# KiCad board jetson-nano-baseboard.kicad_pcb (continued)
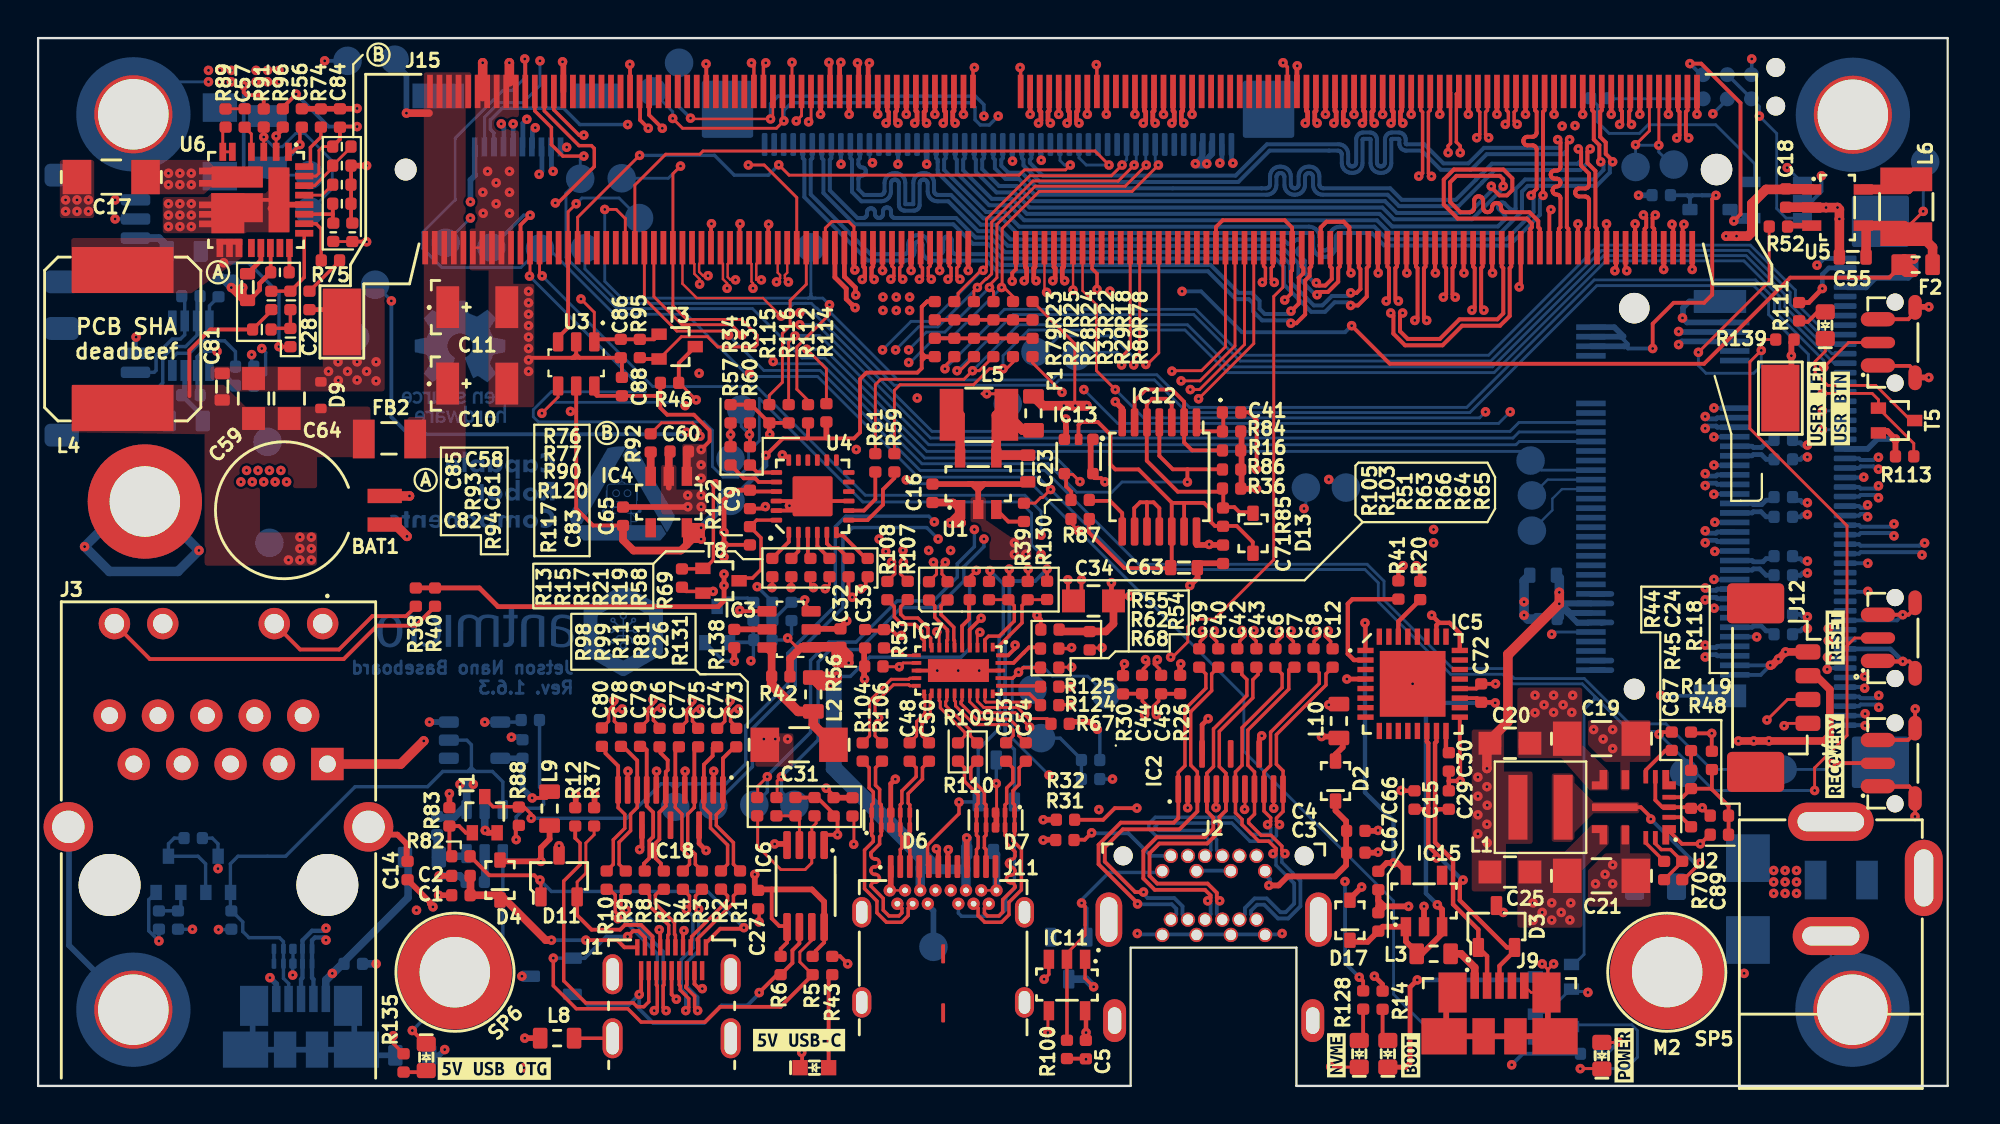
[diagram p0: board, top side]
## Routing (per net, layer and track width the routed paths; a pad name or vN(x,y) marks a point on that pad's centre or on a via; arc(x,y) is an arc through that point) (continued)
  Top w0.3: 54.12,19.11 55.2,19.11 v1(55.59,18.72) ; 60.8,29.13 60.8,28.39 62.23,28.39 ; v1(63.95,31.34) 63.16,31.34 63.16,34.36 ; 55.26,32.1 55.24,32.11 55.24,33.98 55.26,34 ; v1(69.47,10.44) 68.94,9.91 68.94,9.74 ; 42.11,22.64 42.11,22.94
  Top w0.4: 56.24,25.32 56.26,25.31 ; C16.1 48.03,30.62 48.39,30.26 48.39,30.08 v1(47.87,29.56) ; 53.59,23.95 53.69,23.85 56.04,23.85 56.44,24.26 C34.1 ; J12.2 93.32,21.53 94.04,20.81 94.04,18.41 93.74,18.11 v1(90.84,18.11) v1(90.04,18.11) v1(89.24,18.11) ; 39.47,21.5 39.47,22.43 40.09,23.05 40.58,23.05
  Top w0.406: 34.05,32 34.05,33.22
  Top w0.5: v1(88.59,44.61) v1(89.14,44.61) 89.74,44.61 89.94,44.81 89.94,46.31 90.69,47.06 93.09,47.06 93.06,47.09 C18.1 ; C32.1 42.54,22.59 v1(42.54,22.21) ; C32.1 41.89,22.8 v1(41.89,22.21) ; C32.1 42.08,23.05 40.58,23.05 ; v1(42.54,22.21) v1(41.89,22.21) ; v1(42.54,22.21) 42.11,22.64 42.11,22.93 42.11,22.42 v1(41.89,22.21) ; v1(47.87,29.56) v1(48.44,29.56) 48.39,29.61 48.39,30.26
  Bottom w0.15: v1(66.44,30.31) 66.54,30.41 TP42.1
  Bottom w0.18: 10.14,8.22 10.13,8.21 v1(9.47,8.21) ; v1(55.59,18.72) 55.73,18.58 55.73,17.11 ; 39.54,24.42 39.54,23.71 v1(39.34,23.51) 39.24,23.41 38.53,23.41
  Bottom w0.2: 80.95,1.69 77.92,1.69 v1(77.34,1.11)
  Bottom w0.25: v1(62.02,48.44) 62.14,48.55 62.14,49.42 ; v1(93.37,43.08) 93.72,43.43 J7.1 ; v1(62.71,48.44) 62.63,48.51 62.63,49.42 ; v1(93.65,41.86) 93.65,42.6 93.99,42.94 94.84,42.94
  Bottom w0.3: U8.5 C90.1 25.42,15.62 v1(25.93,15.11)
  Bottom w0.4: v1(22.84,15.83) 22.74,15.83 22.49,15.58 22.24,15.83 v1(22.14,15.83) ; v1(22.84,15.83) 22.49,15.48 ; v1(22.84,15.83) v1(22.14,15.83) ; 22.49,15.48 v1(22.14,15.83) ; 22.49,15.48 22.49,14.76 21.83,14.09 20.94,14.09
  vias: v1(13.14,27.61) v1(13.74,28.81) v1(13.74,28.21) v1(13.74,27.61) v1(14.34,28.81) v1(14.34,28.21) v1(14.34,27.61) v1(34.8,32.6) v1(34.8,31.9) v1(57.29,25.71) v1(61.47,28.42)
/Supply/3V3_EN: length 2
  Top w0.2: 85.65,17.6 85.4,17.6 84.38,16.58 U2.7
/Supply/3V3_FB: length 6.2
  Top w0.2: 88.73,13.19 88.73,14.69 87.85,15.57 ; 87.85,15.57 87.82,15.6 86.76,15.6 86.31,15.15 85.61,15.15 ; 87.85,15.57 R118.2
/Supply/3V3_R_C_BOOT: length 3.5
  Top w0.18: 85.34,10.82 86.29,11.77 C89.2 85.68,12.41 85.19,12.41 84.88,12.72 84.88,13.03
/Supply/3V3_SW: length 7
  Top w0.18: v1(87.24,11.71) 86.51,10.97 86.29,10.97
  Top w0.2: U2.10 84.12,14.63 84.64,14.11 v1(84.64,14.01)
  Bottom w0.2: v1(87.24,11.71) 86.94,11.71 v1(84.64,14.01)
/Supply/3V3_VCC: length 1.4
  Top w0.2: 86.76,13.6 86.25,14.1 85.61,14.1
/Supply/3V3_VIN:
  vias: v1(81.64,18.71) v1(81.74,10.61) v1(82.14,18.21) v1(82.24,11.11) v1(82.64,18.71) v1(82.64,17.71) v1(82.64,11.61) v1(82.64,10.61)
/Supply/5V_BOOT: length 1.4
  Top w0.15: 11.19,49.03 11.19,49.97 C57.2
/Supply/5V_COMP: length 2.7
  Top w0.18: 14.86,43.33 14.86,44.99 14.59,45.26 13.97,45.26
/Supply/5V_EN: length 9.1
  Top w0.15: 11.84,50.32 v1(11.84,49.81) 11.84,49.03
  Bottom w0.15: v1(11.84,49.81) 12.35,49.3 12.82,49.3 13.52,50 13.99,50 15.44,48.55 15.44,47.11 TP15.1
/Supply/5V_FB: length 5.2
  Top w0.15: 15.49,45.29 15.49,45.76 ; 15.49,45.76 14.79,45.76 ; 15.49,45.76 15.49,46.27 15.46,46.31 ; 14.79,45.76 14.91,45.76 ; 14.79,45.76 13.97,45.76
  Top w0.18: 15.46,46.31 15.46,45.72 ; 15.46,45.72 15.42,45.76 13.97,45.76 ; 15.46,45.72 15.46,45.33 15.49,45.29
/Supply/5V_FSW: length 1.7
  Top w0.15: 13.97,46.76 14.91,46.76 15.46,47.31
/Supply/5V_ILIM: length 3.4
  Top w0.15: 13.97,47.26 14.52,47.26 15.46,48.2 15.46,48.31 16.43,49.28 16.43,49.31
/Supply/5V_MODE: length 2.6
  Top w0.18: 14.84,50.32 14.84,49.81 14.29,49.26 14.29,48.26 13.97,48.26
/Supply/5V_PHASE: length 1.9
  Top w0.15: 10.19,49.03 9.69,49.03 9.69,50.17 9.84,50.32
/Supply/5V_SNS: length 2
  Top w0.18: C82.1 12.29,39.77 13.24,39.77 13.24,40.75
/Supply/5V_SS: length 1.3
  Top w0.2: 13.18,42.71 13.19,42.72 U6.19
/Supply/5V_SW: length 7
  Top w0.18: 13.24,38.8 12.65,38.8 v1(12.64,38.81)
  Bottom w0.18: v1(9.74,43.21) 11.04,43.21 12.64,41.61 v1(12.64,38.81)
/Supply/5V_VIN: length 13
  Top w0.18: C56.1 13.74,50.22 v1(13.74,49.41) 13.37,49.03 U6.1
  Top w0.2: v1(10.79,52.51) 10.79,52.16 10.94,52.01 11.64,52.01 11.84,51.81 11.84,51.29
  Bottom w0.15: 12.04,47.76 12.09,47.81 TP11.1
  Bottom w0.2: v1(10.79,52.51) 10.79,47.91
  Bottom w0.3: v1(13.74,49.41) 12.09,47.76 12.04,47.76
  vias: v1(6.84,47.91) v1(6.84,47.31) v1(7.44,47.91) v1(7.44,47.31) v1(8.04,47.91) v1(8.04,47.31)
/Supply/VDD_5V_DCDC: length 9.9
  Top w0.15: 13.97,47.76 14.59,47.76 14.74,47.91 14.74,49.11 14.94,49.31 15.46,49.31
  Top w0.2: 15.46,49.31 15.84,49.69 C84.1 15.88,50.36 v1(16.74,50.36) ; v1(13.54,52.06) 12.84,51.36 12.84,51.29
  Bottom w0.2: v1(16.74,50.36) 15.24,50.36 v1(13.54,52.06)
GND: length 403.7
  Top w0.125: 79.24,4.9 78.36,4.9 78,5.26 ; J15.250 J15.248 ; v1(52.93,41.66) 52.82,41.77 J15.138 ; 54.32,41.77 J15.132 ; 50.3,10.26 49.5,10.26 ; 44.7,10.26 45.5,10.26
  Top w0.15: 60.34,15.58 60.34,14.61 v1(60.34,14.6) ; v1(61.82,14.61) 61.82,15.56 ; 50.29,14.39 50.31,14.4 50.31,15.63 ; 50.25,11.51 50.25,10.31 50.3,10.26 ; 64.84,15.58 64.84,14.58 v1(64.85,14.57) ; v1(79.54,6.41) 79.24,6.1 79.24,4.9 79.24,6.11 v1(78.94,6.41) ; 63.34,15.58 63.34,14.54 v1(63.32,14.52)
  Top w0.152: 41.32,44 41.32,45.03 41.66,45.37 42.55,45.37 42.82,45.09 42.82,44.7
  Top w0.18: v1(52.8,5.6) 53.05,5.85 53.05,6.75 ; v1(37.84,8.61) 37.84,9.24 C27.2 ; v1(35.43,25.96) 34.01,25.96 33.79,26.17 ; v1(55.4,5.2) 54.95,5.65 54.95,6.75 ; 53.58,22.96 54.19,22.96 v1(54.24,23.01) ; v1(39.06,33.12) 39.18,33 39.4,33 ; 38.62,17.21 38.52,17.31
  Top w0.2: 44.32,42.8 44.32,42.8 J15.164 ; v1(98.52,19.79) 98.52,19.79 98.52,18.53 98.14,18.16 96.27,18.16 ; J15.102 61.82,44 61.82,45.09 62.18,45.44 65.43,45.44 65.82,45.05 65.82,42.81 65.76,42.75 65.76,41.58 v1(65.43,41.25) ; v1(51.13,42.24) 51.13,42.67 51.32,42.86 J15.144 ; J15.32 79.32,46.02 ; 39.06,33.11 v1(39.06,33.12) ; 63.95,32.37 63.95,34.95 63.55,35.36 63.16,35.36 ; 35.44,15.53 35.44,16.5 v1(35.46,16.52) ; 33.94,15.53 33.94,16.5 v1(33.96,16.52) ; 32.44,15.53 32.44,16.5 v1(32.46,16.52) ; v1(30.96,16.52) 30.94,16.5 30.94,15.53 ; J15.217 31.07,53.62 ; 46.09,21.8 50.49,21.8 ; J15.201 35.07,53.64 v1(35.06,53.64) ; v1(54.05,26.57) 54.05,25.77 54.42,25.4 54.76,25.74 v1(54.76,26.57) ; 60.86,27.18 61.11,27.43 ; 38.2,30.45 38.05,30.3 37.36,30.3 ; 96.27,22.28 v1(97.87,22.28) ; 28.24,38.41 28.24,38.29 28.18,38.22 ; 28.24,38.41 U3.2 ; 28.24,38.41 28.06,38.22 28.01,38.22 ; 28.24,38.41 28.43,38.22 ; 87.76,14.19 87.76,14.19 v1(87.35,14.6) 86.79,14.6 C87.2 86.7,14.63 85.26,14.63 84.88,15 U2.6 ; U6.9 10.66,46.51 U6.28 ; 28.43,38.22 30.64,38.22 C88.2 ; 28.43,38.22 28.18,38.22 ; 28.01,38.22 28.18,38.22 ; 28.01,38.22 25.86,38.22 v1(25.74,38.11) ; RST1.SH 98.52,21.98 98.22,22.28 97.32,22.28 ; v1(98.51,14.14) 98.52,14.15 98.52,15.4 98.2,15.72 ; v1(41.36,15.62) 41.85,15.14 41.86,15.14 ; v1(55,1.4) 54.97,1.43 54,1.43 ; 38.6,30.7 40.4,30.7 U4.25 ; 96.27,15.72 98.2,15.72 ; 98.2,15.72 98.19,15.71 96.27,15.71 ; U4.25 40.9,30.7 42.7,30.7 ; U4.25 39.9,30.2 38.6,30.2 ; 74.62,20.86 75.49,20.86 C72.2 v1(76.49,21.11) ; USR1.SH 98.52,37.51 98.23,37.79 96.27,37.79 ; 56.94,21.54 56.94,22.08 v1(57.02,22.16) ; v1(74.64,16.01) 74.64,17.23 74.62,17.25 74.62,19.36 ; C83.2 16.43,45.36 16.43,48.31 ; RST1.SH 98.52,25.08 98.17,24.73 97.35,24.73 96.27,24.73 ; U6.17 12.21,43.97 12.21,42.71 ; 27.34,11.86 27.34,12.62 ; v1(35.34,45.26) 35.32,45.23 J15.200 ; 96.27,40.24 98.15,40.24 98.52,40.6 USR1.SH
  Top w0.22: 70.32,42.69 J15.68 ; 73.32,42.69 J15.56 ; 74.82,42.69 J15.50 ; 76.32,42.69 J15.44 ; v1(71.84,42.67) 71.82,42.69 J15.62 ; J15.38 77.82,42.02 v1(77.74,41.94) ; 80.82,44 80.82,45.24 v1(80.82,45.25) ; 82.32,44 82.32,45.24 ; 83.82,44 83.82,45.24 ; 85.32,44 85.32,42.86 v1(85.32,42.86) ; v1(86.82,42.86) 86.82,42.86 86.82,44 ; v1(68.91,42.67) 68.82,42.76 68.82,45.07 68.53,45.36 67.62,45.36 67.32,45.06 J15.80
  Top w0.23: C15.2 71.56,15.49 v1(71.54,15.51) ; v1(73.14,24.71) 73.51,24.34 73.51,24.31 ; v1(76.9,9.11) D3.3 ; 73.51,24.31 73.39,24.19 73.39,23.58 ; 73.51,24.31 74.08,24.31 74.62,23.77 74.62,22.86 ; 74.04,16.01 C29.2 ; 74.04,16.01 C30.2 ; 74.04,16.01 v1(74.64,16.01)
  Top w0.25: v1(66.09,53.54) 66.07,53.52 J15.85 ; v1(45.82,42.8) J15.158 ; 47.32,42.8 J15.152 ; 48.82,42.8 J15.146 ; 60.57,51 J15.107 ; 59.07,51 J15.113 ; 57.57,51 J15.119 ; 56.07,51 J15.125 ; 55.07,51 J15.129 ; 53.57,51 J15.135 ; 52.07,51 J15.141 ; 45.57,51 J15.159 ; 47.07,51 47.07,52.2 ; 48.57,51 J15.147 ; 41.07,51 J15.177 ; 42.57,51 J15.171 ; 44.07,51 J15.165 ; 87.07,51 87.07,52.2 ; 85.57,51 85.57,52.2 ; 84.07,51 84.07,52.2 ; 82.57,51 82.57,52.2 ; 81.07,51 81.07,52.2 ; 79.57,51 J15.31 ; 78.07,51 J15.37 ; 76.57,51 J15.43 ; 75.07,51 J15.49 ; 73.57,51 J15.55 ; 72.07,51 J15.61 ; 70.57,51 J15.67 ; 67.57,51 J15.79 ; 69.07,51 J15.73 ; 42.82,42.8 J15.170 ; v1(44.99,16.1) 44.75,15.86 D6.3 ; 14.24,40.75 15.32,40.75 15.97,40.1 ; 69.67,21.36 v1(68.69,21.36) ; C85.2 11.07,41.23 11.62,41.79 11.62,42.12 12.21,42.71
  Top w0.3: v1(70.33,12.27) 70.3,12.24 69.64,12.24 ; v1(70.33,13.41) 70.3,13.39 69.64,13.39 ; v1(29.21,15.32) 29.21,14.63 R37.2 ; R83.2 v1(21.59,15.34) ; v1(52.75,13.97) R32.2 ; v1(52.75,12.9) 52.77,12.92 53.44,12.92 ; 91.47,36.1 92.02,36.65 v1(92.02,38.33) 92.02,39.03 92.17,39.18 ; v1(56.54,35.92) 56.9,35.55 IC12.7 ; R113.1 v1(97.48,33.96) 97.07,34.38 96.68,34.38 ; USR1.SH 98.53,37.19 v1(99.23,37.19) ; USR1.SH 98.54,40.89 v1(99.23,40.89) ; 60.86,27.18 60.86,27.18 60.86,26.67 v1(60.45,26.26) ; 43.43,22.94 43.36,22.86 43.36,21.29 ; v1(36.54,22.29) 36.54,22.79 ; 44.75,10.16 44.75,11.51 ; 50.29,13.62 50.29,14.39 ; v1(38.66,12.7) 39.25,12.7 39.31,12.64 ; v1(28.22,15.29) 28.22,14.63 R12.2 ; 61.11,27.43 62.23,27.43 ; 42.82,15.12 41.87,15.12 41.86,15.14 ; 79.24,4.9 79.24,2.97 79.61,2.6 J9.SH 73.79,2.6 73.91,2.72 73.91,4.9 ; 72.74,8.34 v1(72.74,9.42) ; v1(21.05,11.02) 21.73,11.02 ; v1(21.02,10.01) 21.73,10.01 ; C56.2 C84.2 16.73,51.29 v1(16.74,51.31) ; v1(53.94,35.01) 53.94,34.57 53.96,34.56 53.96,34 ; C23.2 51.83,31.59 49.66,31.59 ; v1(27.53,53.76) 27.57,53.71 J15.231 ; 13.97,46.26 12.89,46.26 U6.28 12.19,46.06 ; C16.2 48.86,31.59 ; 48.86,31.59 49.03,31.59 49.34,31.28 ; 48.86,31.59 49.66,31.59 ; 49.34,31.28 49.34,30.26 ; 49.34,31.28 49.66,31.59 ; 70.67,9.42 70.36,9.42 70.34,9.41 ; 70.67,9.42 v1(71.93,9.42) ; 70.67,9.42 C67.2 70.34,9.41 ; 70.67,9.42 70.62,9.42 70.34,9.71 ; 70.67,9.42 70.34,9.76 70.34,9.91 ; 33.1,32 33.1,31.4 ; 26.43,2.51 v1(25.54,2.51) ; 70.34,10.3 70.34,9.91 ; 70.34,9.91 70.34,9.71 ; v1(20.72,9.4) 20.57,9.55 20.57,9.64 C14.2 ; T1.2 23.59,13.29 v1(23.47,13.41) ; C65.2 34.09,30.39 v1(34.1,30.4) ; 70.34,9.71 70.34,9.41 ; 40.58,23.99 C32.2 42.11,24.07 v1(42.44,24.41) ; 16.43,48.31 v1(17.24,48.31)
  Top w0.4: J12.1 v1(91.72,22.78) 91.01,22.08 v1(90.92,22.08) ; v1(10.14,41.91) 10.82,41.23 C85.2 10.74,41.48 v1(10.74,41.91)
  Top w0.406: 33.1,32 33.1,33.24
  Top w0.5: 18.19,29.47 18.74,29.47 v1(19.36,28.85) ; 24.72,52.7 24.73,52.72 v1(24.73,53.71) ; C18.2 93.08,46.12 93.09,46.11 v1(93.84,46.11) v1(94.44,46.11) 94.54,46.01 v1(94.54,45.51) C55.2 ; 23.33,51.93 v1(23.33,53.71) ; v1(20.24,18.11) 19.03,16.9 J3.1
  In2_SINGAL.Cu w0.4: v1(55.67,14.5) 55.87,14.31 55.87,11.78 56.76,10.88 58.24,10.88 58.64,10.49 59.99,10.49 60.8,11.3
  Bottom w0.125: 43.82,48.35 43.65,48.53 43.65,49.45 ; SP2.1 94.1,5.13 94.1,7.88
  Bottom w0.15: TP44.1 68.23,31.41 v1(67.74,31.83) ; 78.59,3.86 79.21,3.86 80.31,4.96 81.29,4.96 v1(81.34,4.91) ; v1(8.94,52.71) 6.71,52.71 SP3.1
  Bottom w0.18: C13.2 8.34,36.41 8.34,38.27 8.63,38.56 v1(9.39,38.56) ; 5.14,38.46 v1(5.14,39.31) ; 38.54,25.39 38.54,25.41 v1(37.74,26.21) ; v1(36.54,22.29) 35.99,22.29 34.99,23.29 ; v1(50.29,15.88) 50.29,15.88 D5.3 ; v1(13.36,5.82) 13.36,6.41 13.38,6.42 13.38,7.19 ; 55.73,16.11 v1(56.39,16.11) ; 89.94,53.08 v1(89.94,53.91) ; T6.2 5.81,9.77 5.81,8.14 v1(6.34,7.61) 6.34,8.22
  Bottom w0.2: v1(85.16,20.5) 85.19,20.47 88.27,20.47 ; v1(96.03,25.96) 96.01,25.94 J7.36 ; v1(96.03,27.43) 96.03,27.44 94.84,27.44 ; 89.05,21.58 90.41,21.58 90.91,22.07 89.05,22.07 ; v1(87.97,25.07) 89.05,25.07 ; 87.97,26.58 89.05,26.58 ; v1(87.95,34.06) 87.96,34.08 J8.51 ; 87.97,35.58 J8.57 ; v1(87.96,32.59) 87.97,32.57 J8.45 ; 87.97,31.07 89.05,31.07 ; v1(88,29.59) 88.02,29.57 89.05,29.57 ; 87.97,28.07 89.05,28.07 ; 89.05,23.57 90.17,23.57 ; 60.8,11.3 62.61,11.3 ; v1(57.69,8) 57.74,7.95 59,7.95 ; v1(65.29,8) 65.24,7.95 59.04,7.95 ; v1(97.87,24.73) 97.57,24.44 94.84,24.44 ; 26.14,5.76 v1(25.39,5.76) ; v1(93.6,47.77) 93.6,46.95 93.15,46.5 92.4,46.5 ; TP17.1 v1(15.04,53.81)
  Bottom w0.22: 51.14,49.42 51.14,48.55 v1(51.14,48.54) ; 94.84,31.94 95.8,31.94 ; 52.64,48.55 52.64,49.42 ; 42.14,48.54 42.14,48.55 42.14,49.42 ; 45.14,49.42 45.14,48.52 45.13,48.52
  Bottom w0.25: v1(27.74,49.27) 27.73,49.28 27.44,49.28 ; J7.42 97.21,22.94 v1(97.87,22.28)
  Bottom w0.3: J8.SH2 86.66,41.17 86.33,40.84 86.33,40.34 v1(86.31,40.31) 86.54,40.07 J8.75 ; v1(86.1,38.91) 86.27,39.07 J8.71 ; v1(86.1,39.6) 86.13,39.57 J8.73 ; v1(97.48,33.96) 96.54,33.96 96.02,33.44 J7.21 ; v1(46.64,48.38) 46.64,48.39 46.64,49.62 ; 25.42,18.17 25.29,18.31 v1(24.84,18.31) ; J5.5 12.5,5.35 v1(12.17,5.68) ; 20.46,1.61 21.04,1.61 v1(21.34,1.91) ; 84.77,46.75 v1(84,46.75) ; U8.3 v1(20.54,19.1)
  Bottom w0.4: 50.3,10.26 50.3,12.14 C35.2 ; v1(10.14,41.91) 10.14,42.11 9.86,42.39 ; v1(10.14,41.91) v1(10.74,41.91) 10.26,42.39 9.86,42.39 ; v1(10.14,41.91) 9.66,42.39 9.47,42.39 9.86,42.39 ; v1(17.74,6.41) C62.2 ; v1(23.47,13.41) 23.44,13.44 23.44,14.76 ; v1(55.4,5.2) 54.99,5.61 D12.3 ; v1(21.05,11.02) 22.14,11.02 22.46,10.71
  Bottom w0.5: C46.2 78.19,24.51 v1(77.99,24.71) v1(77.99,25.41) 77.99,26.51 C47.2 ; 5.9,30.65 v1(8.44,28.11) 7.34,27.01 3.74,27.01 v1(2.44,28.31) 4.99,30.85
  vias: v1(1.44,46.51) v1(1.44,45.91) v1(2.04,46.51) v1(2.04,45.91) v1(2.64,46.51) v1(2.64,45.91) v1(6.84,46.31) v1(6.84,45.71) v1(6.84,45.11) v1(7.44,46.31) v1(7.44,45.71) v1(7.44,45.11) v1(8.04,46.31) v1(8.04,45.71) v1(8.04,45.11) v1(8.94,53.31) v1(9.54,53.31) v1(9.54,52.71) v1(10.14,53.31) v1(10.14,52.71) v1(15.24,37.51) v1(15.74,38.01) v1(15.76,37.03) v1(16.24,37.51) v1(16.74,38.01) v1(16.74,37.05) v1(17.24,37.51) v1(17.74,38.01) v1(17.74,37.01) v1(19.86,9.22) v1(23.34,46.91) v1(23.36,45.81) v1(23.59,48.01) v1(24.04,47.41) v1(24.04,46.31) v1(24.74,48.01) v1(24.74,46.91) v1(24.74,45.81) v1(25.49,0.96) v1(25.74,41.71) v1(25.74,41.11) v1(25.74,40.51) v1(25.74,39.91) v1(25.74,39.31) v1(25.74,38.71) v1(25.74,37.51) v1(27.34,12.61) v1(31.06,53.62) v1(34.1,31) v1(34.8,31) v1(34.8,30.4) v1(38.09,18.21) v1(38.17,30.41) v1(38.69,18.21) v1(39.34,18.21) v1(39.44,30.46) v1(41.07,51) v1(42.14,48.38) v1(42.57,51) v1(42.87,42.82) v1(42.94,33.41) v1(43.38,21.35) v1(43.79,48.46) v1(44.07,51) v1(44.14,28.71) v1(44.32,42.8) v1(44.34,41.41) v1(44.34,40.71) v1(44.49,28.06) v1(45.04,41.41) v1(45.04,40.71) v1(45.13,48.38) v1(45.39,28.11) v1(45.57,51) v1(45.74,41.41) v1(45.74,40.71) v1(46.14,36.11) v1(46.74,28.11) v1(47.07,51) v1(47.19,21.8) v1(47.32,42.8) v1(47.89,28.11) v1(48.29,21.8) v1(48.57,51) v1(48.82,42.8) v1(49.39,21.8) v1(51.24,28.51) v1(51.24,27.91) v1(51.84,27.91) v1(52.07,51) v1(52.65,48.59) v1(53.57,51) v1(54.32,41.77) v1(55.07,51) v1(56.07,51) v1(57.57,51) v1(59.07,51) v1(60.57,51) v1(63.94,32.37) v1(67.57,51) v1(69.07,51) v1(70.34,42.67) v1(70.57,51) v1(72.07,51) v1(72.14,21.11) v1(73.34,42.67) v1(73.57,51) v1(74.84,42.67) v1(75.07,51) v1(76.34,42.67) v1(76.57,51) v1(78.07,51) v1(78.47,9.61) v1(78.47,8.69) v1(78.57,20.51) v1(78.57,19.59) v1(78.94,9.11) v1(79.04,20.01) v1(79.4,46) v1(79.44,9.61) v1(79.44,8.71) v1(79.57,51) v1(79.54,20.51) v1(79.54,19.61) v1(79.94,9.11) v1(80.04,20.01) v1(80.44,9.6) v1(80.4,8.71) v1(80.54,20.5) v1(80.5,19.61) v1(81.07,51) v1(82.32,45.25) v1(82.57,51) v1(83.82,45.25) v1(84.07,51) v1(85.57,51) v1(87.07,51) v1(87.96,35.59) v1(87.95,31.06) v1(87.96,26.59) v1(88,28.06) v1(89.54,5.91) v1(90.2,23.57) v1(91.34,22.41) v1(95.82,31.95)
VDD_MOD: length 4
  Top w0.4: v1(19.33,51.06) 20.52,51.06
  Bottom w0.3: v1(19.33,51.06) 19.33,53.06 18.75,53.64
VIN:
  vias: v1(10.64,31.71) v1(10.94,32.31) v1(11.24,31.71) v1(11.44,53.31) v1(11.44,52.71) v1(11.54,32.31) v1(11.84,31.71) v1(12.04,53.31) v1(12.04,52.71) v1(12.14,32.31) v1(12.44,31.71) v1(12.64,53.31) v1(12.64,52.71) v1(12.74,32.31) v1(13.04,31.71) v1(91.09,11.31) v1(91.09,10.71) v1(91.09,10.11) v1(91.69,11.31) v1(91.69,10.71) v1(91.69,10.11) v1(92.29,11.31) v1(92.29,10.71) v1(92.29,10.11)
#PWR_BUTTON: length 4.6
  Top w0.2: J15.240 25.32,45.19 v1(25.83,45.7)
  Bottom w0.18: TP31.1 25.49,45.7 v1(25.83,45.7)
#RECOVERY: length 78
  Top w0.15: J15.214 31.82,41.33 33.53,39.62 36.03,39.62 v1(36.24,39.41)
  Top w0.2: 96.27,16.94 94.16,16.94 v1(94.13,16.92)
  Bottom w0.15: 36.32,39.33 38.09,37.56 41.04,37.56 46.29,32.31 52.84,32.31 57.77,27.38 69.76,27.38 70.64,26.49 70.64,25.51 74.24,21.91 76.96,21.91 77.48,21.38 81.16,21.38 83.53,19.01 85.44,19.01 87.83,16.61 TP39.1 93.82,16.61 v1(94.13,16.92)
#RESET: length 168.6
  Top w0.15: v1(53.14,31.31) 52.72,30.88 52.62,30.88 52.33,30.59 51.74,30.59 ; 32.15,34.24 32.72,34.81 34.34,34.81 34.74,34.41 v1(34.74,34.11) ; 96.27,23.51 95.34,23.51 94.94,23.11 94.94,22.91 ; v1(87.14,38.51) 90.86,42.22 90.86,45.11 ; 94.94,22.91 94.94,29.41 89.84,34.51 89.84,38.01 v1(90.44,38.61) 90.44,38.97 90.65,39.18 91.2,39.18 ; 94.94,22.91 94.94,18.39 93.24,16.69 v1(93.24,15.51)
  Top w0.2: v1(85.07,18.46) 85.02,18.57 85.65,18.57 ; 25.57,52.2 25.57,53.88 v1(25.54,53.91)
  In3_SIGNAL.Cu w0.15: v1(34.74,34.11) 37.34,36.71 v1(37.34,37.41)
  Bottom w0.15: 81.69,20.31 81.84,20.31 81.87,20.28 ; 81.69,20.31 81.62,20.23 ; 81.69,20.31 81.69,20.46 ; 26.79,43.96 TP29.1 25.34,42.96 21.19,42.96 20.19,43.96 20.19,44.81 21.89,46.51 21.89,49.75 24.4,52.26 24.89,52.26 25.54,52.91 v1(25.54,53.91) ; 26.79,43.96 26.74,44.01 ; 26.79,43.96 30.24,40.51 34.02,40.51 37.12,37.41 v1(37.34,37.41) 37.51,37.24 40.91,37.24 46.19,31.96 52.49,31.96 v1(53.14,31.31) 57.34,27.11 69.64,27.11 70.34,26.41 70.34,25.41 74.14,21.61 76.87,21.61 77.37,21.11 81.04,21.11 81.69,20.46 ; 81.62,20.23 81.14,19.76 81.14,6.91 80.49,6.26 ; 81.62,20.23 81.77,20.38 ; v1(87.14,38.51) 87.14,37.81 87.54,37.41 90.04,37.41 90.44,37.81 v1(90.44,38.61) ; v1(93.24,15.51) 87.94,15.51 87.01,16.44 TP37.1 86.39,17.16 85.04,18.51 v1(85.07,18.46) 84.86,18.61 83.54,18.61 81.87,20.28 ; 81.87,20.28 81.77,20.38 ; 81.69,20.46 81.77,20.38
#SHUTDOWN_REQ: length 66
  Top w0.18: 27.07,52.2 27.07,51.23 28.39,49.91 v1(28.64,49.91)
  Top w0.2: 60.32,32.37 62.2,32.37 ; 60.32,32.37 59.55,32.37 58.85,33.07 IC12.4 ; 60.32,32.37 v1(60.32,31.7)
  In2_SINGAL.Cu w0.15: 32.24,45.01 32.24,44.81 ; 32.24,45.01 32.21,44.97 32.11,44.97 ; 32.24,45.01 32.24,45.16 ; 32.24,44.81 32.24,44.84 32.11,44.97 ; 32.24,44.81 32.24,39.91 34.69,37.45 v1(34.69,37.41) ; 32.24,45.16 32.24,46.71 29.04,49.91 v1(28.64,49.91) ; 32.24,45.16 32.24,45.11 32.11,44.97 ; 32.11,44.97 23.28,44.97 v1(22.69,45.56)
  In3_SIGNAL.Cu w0.15: v1(38.58,38.02) 36.91,38.02 35.62,36.73 35.37,36.73 v1(34.69,37.41)
  Bottom w0.15: v1(38.58,38.02) 38.7,37.91 41.14,37.91 46.39,32.66 53.01,32.66 54.5,31.17 56.36,31.17 56.89,31.7 v1(60.32,31.7) ; v1(22.69,45.56) TP28.1
/CSI/CAM0_SCL: length 35.4
  Top w0.15: R24.2 49.12,41.73 v1(49.3,41.91) 49.3,41.91 49.75,42.36 49.79,42.36 50.05,42.62 50.05,45.34 52.22,47.5 56.7,47.5 57.53,48.33 v1(57.53,48.34) ; v1(39.52,26.15) 39.54,26.17 R15.2
  In5_3V3_SYS_SIGNAL.Cu w0.15: v1(39.52,26.15) 39.52,27.03 40.64,28.16 40.64,34.19 45.01,38.55 v1(45.01,38.63)
  Bottom w0.15: v1(49.3,41.91) 47.23,39.84 46.21,39.84 v1(45.01,38.63) ; 57.63,49.42 57.63,48.47 57.53,48.36
/CSI/CAM0_SDA: length 37
  Top w0.15: v1(56.89,48.34) 56.33,47.78 52.06,47.78 49.77,45.5 49.77,42.99 v1(49.6,42.81) 49.49,42.81 48.28,41.61 48.28,41.36 R25.2 ; v1(38.52,26.15) 38.54,26.17 R13.2
  In5_3V3_SYS_SIGNAL.Cu w0.15: v1(44.32,38.63) 44.32,38.43 40.18,34.29 40.18,28.31 38.52,26.64 v1(38.52,26.15)
  Bottom w0.15: v1(49.6,42.81) 49.56,42.81 46.88,40.13 45.82,40.13 v1(44.32,38.63) ; 56.89,48.36 56.89,48.38 57.14,48.62 57.14,49.42
/CSI/CAM1_SCL: length 35.8
  Top w0.15: R18.2 51.17,41.44 50.7,41.91 v1(50.57,41.91) 50.6,41.94 50.6,45.01 52.54,46.95 57.42,46.95 58.8,48.33 v1(58.8,48.34) ; R21.2 41.54,26.32 v1(41.31,26.1)
  In5_3V3_SYS_SIGNAL.Cu w0.15: v1(45.69,37.97) 41.75,34.04 41.75,27.82 41.31,27.38 v1(41.31,26.1)
  Bottom w0.15: v1(50.57,41.91) 50.57,41.91 47.95,39.29 47.09,39.29 45.78,37.97 v1(45.69,37.97) ; 58.78,48.33 58.63,48.48 58.63,49.42
/CSI/CAM1_SDA: length 35.3
  Top w0.15: R22.2 50.14,41.7 49.93,41.91 v1(49.93,41.91) 49.93,42.04 50.32,42.43 50.32,45.22 52.33,47.23 57.06,47.23 58.16,48.33 v1(58.16,48.34) ; v1(40.69,26.15) 40.54,26.31 R17.2
  In5_3V3_SYS_SIGNAL.Cu w0.15: v1(40.69,26.15) 40.69,27.38 41.34,28.03 41.34,34.28 v1(45.69,38.63)
  Bottom w0.15: v1(49.93,41.91) 49.93,41.91 47.59,39.57 46.62,39.57 45.69,38.64 v1(45.69,38.63) ; 58.14,49.42 58.14,48.36 58.16,48.34
/CSI/CAM2_SCL: length 69.3
  Top w0.15: v1(47.6,37.64) 47.6,37.79 R27.2
  Top w0.2: v1(43.18,26.09) 43.37,26.09 43.44,26.15 43.44,26.73
  In5_3V3_SYS_SIGNAL.Cu w0.15: v1(43.18,26.09) 43.29,26.2 43.29,31.91 47.6,36.21 v1(47.6,37.64)
  Bottom w0.15: v1(47.6,37.64) 50.72,40.76 60.77,40.76 63.17,38.35 76.13,38.35 81.21,43.43 81.91,44.13 89.87,44.13 92.23,41.77 92.23,41.13 93.93,39.43 J7.9
/CSI/CAM2_SDA: length 70.9
  Top w0.15: R28.2 48.38,37.54 v1(48.23,37.54)
  Top w0.2: v1(42.73,25.65) 42.54,25.85 R19.2
  In5_3V3_SYS_SIGNAL.Cu w0.15: v1(48.23,37.54) 48.23,36.35 43.69,31.81 43.69,25.66 43.49,25.46 42.93,25.46 v1(42.73,25.65)
  Bottom w0.15: 94.84,38.94 94.04,38.94 91.96,41.02 91.96,41.66 89.76,43.86 82.06,43.86 81.98,43.78 81.98,43.78 76.25,38.05 63.09,38.05 60.65,40.49 51.18,40.49 v1(48.23,37.54)
/CSI/CAM3_SCL: length 63.1
  Top w0.15: R33.2 49.4,37.54 v1(49.04,37.54) 48.59,37.09 44.23,37.09 43.94,36.81 43.94,33.19
  Bottom w0.15: J7.11 94.15,38.43 91.68,40.9 91.68,41.54 89.64,43.58 82.17,43.58 76.33,37.74 62.53,37.74 60.32,39.95 51.46,39.95 v1(49.04,37.54)
/CSI/CAM3_SDA: length 62.5
  Top w0.15: R29.2 51.17,37.99 50.82,37.64 v1(50.64,37.64) 49.93,37.64 49.1,36.81 45.24,36.81 44.94,36.51 44.94,33.19
  Bottom w0.15: v1(50.64,37.64) 50.64,38.33 51.99,39.67 60.2,39.67 62.43,37.44 76.42,37.44 82.28,43.31 89.53,43.31 91.41,41.43 91.41,40.79 94.28,37.92 94.98,37.92 ; 94.84,37.94 94.29,37.94
/CSI/CAM_I2C_SCL: length 22.9
  Top w0.2: v1(32.76,50.27) 32.07,50.96 J15.213 ; 37.36,34.8 37.36,34.21 v1(37.34,34.19) 37.36,34.16 37.36,33.56
  In2_SINGAL.Cu w0.15: v1(32.76,50.27) 32.97,50.06 32.97,40.48 35.64,37.81 35.64,35.88 v1(37.34,34.19)
  Bottom w0.15: v1(37.34,34.19) 36.9,34.62 36.9,35.5
/CSI/CAM_I2C_SDA: length 22.5
  Top w0.2: J15.215 31.59,52.18 31.59,50.7 v1(32.03,50.27) ; 36.34,33.56 v1(36.34,34.19) 36.34,34.8
  In2_SINGAL.Cu w0.15: v1(36.34,34.19) 35.24,35.29 35.24,37.71 32.59,40.36 32.59,49.71 v1(32.03,50.27)
  Bottom w0.15: v1(36.34,34.19) 36.34,32.91 TP1.1
/CSI/CSI_A_CLK_N: length 43.3
  Top w0.21: 84.82,44 84.82,44.99 84.74,45.07 84.74,45.57 v1(84.88,45.72)
  In3_SIGNAL.Cu w0.138: 96.48,32.37 96.29,32.55 96.03,32.55 95.48,33.11 95.48,41.53 94.67,42.34 92.27,42.34 92.19,42.35 92.11,42.38 92.03,42.42 91.97,42.48 91.93,42.55 91.9,42.63 91.89,42.72 91.89,42.88 91.89,42.91 91.88,42.94 91.86,42.97 91.84,42.99 91.81,43 91.78,43.01 91.75,43.02 91.72,43.01 91.69,43 91.67,42.99 91.65,42.97 91.63,42.94 91.62,42.91 91.62,42.88 91.62,41.64 91.61,41.55 91.58,41.47 91.53,41.4 91.47,41.34 91.4,41.3 91.32,41.27 91.24,41.26 91.19,41.26 91.11,41.27 91.03,41.3 90.96,41.34 90.9,41.4 90.85,41.47 90.82,41.55 90.81,41.64 90.81,42.88 90.81,42.91 90.8,42.94 90.78,42.97 90.76,42.99 90.74,43 90.71,43.01 90.68,43.02 90.64,43.01 90.62,43 90.59,42.99 90.57,42.97 90.55,42.94 90.54,42.91 90.54,42.88 90.54,41.64 90.53,41.55 90.5,41.47 90.46,41.4 90.4,41.34 90.32,41.3 90.24,41.27 90.16,41.26 90.11,41.26 90.03,41.27 89.95,41.3 89.88,41.34 89.82,41.4 89.77,41.47 89.75,41.55 89.74,41.64 89.74,43.08 89.73,43.11 89.72,43.14 89.71,43.17 89.68,43.19 89.66,43.2 89.63,43.21 89.6,43.22 89.57,43.21 89.54,43.2 89.51,43.19 89.49,43.17 89.47,43.14 89.46,43.11 89.46,43.08 89.46,41.64 89.45,41.55 89.42,41.47 89.38,41.4 89.32,41.34 89.25,41.3 89.17,41.27 89.08,41.26 89.04,41.26 88.95,41.27 88.87,41.3 88.8,41.34 88.74,41.4 88.7,41.47 88.67,41.55 88.66,41.64 88.66,42.2 88.65,42.23 88.64,42.26 88.63,42.29 88.61,42.31 88.58,42.32 88.55,42.33 88.52,42.34 88.31,42.13 88.31,41.88 88.12,41.68 88.1,41.66 88.08,41.63 88.08,41.6 88.08,41.57 88.08,41.54 88.1,41.51 88.12,41.49 88.17,41.44 88.19,41.41 88.2,41.38 88.21,41.35 88.21,41.32 88.2,41.29 88.19,41.26 88.17,41.24 88.15,41.22 88.12,41.21 88.09,41.2 88.06,41.2 88.03,41.21 88,41.22 87.98,41.24 87.92,41.29 87.9,41.31 87.87,41.33 87.84,41.33 87.81,41.33 87.78,41.33 87.75,41.31 87.73,41.29 87.33,41.29 86.9,41.72 86.9,42.23 87.47,42.8 87.47,44.38 87.87,44.78 87.87,45.89 87.29,46.48 86.49,46.48 86.4,46.49 86.32,46.52 86.24,46.57 86.17,46.63 86.13,46.71 86.1,46.8 86.09,46.89 86.09,47.51 86.08,47.55 86.07,47.59 86.05,47.62 86.02,47.65 85.99,47.67 85.95,47.68 85.92,47.68 85.88,47.68 85.84,47.67 85.81,47.65 85.78,47.62 85.76,47.59 85.75,47.55 85.75,47.51 85.75,46.89 85.74,46.8 85.71,46.71 85.66,46.63 85.6,46.57 85.52,46.52 85.43,46.49 85.34,46.48 85.03,46.48 84.7,46.15 84.7,45.9 v1(84.88,45.72)
  Bottom w0.21: J7.23 95.57,32.44 95.66,32.52 96.33,32.52 96.48,32.37
  vias: v1(96.59,32.37)
